# Altium PCB TMS320F28379D_Interfaz_.PcbDoc (part 3 of 5)
Units mil, origin at the board's own origin, x right, y up, seen from the top; angles counter-clockwise.
Board outline 7050 x 6150 mil, 4 copper layers (Top Layer, GND plane, Power supply plane, Bottom Layer), stack 30.634 mil thick; 614 components, 361 nets, 2002 pads, 627 vias.
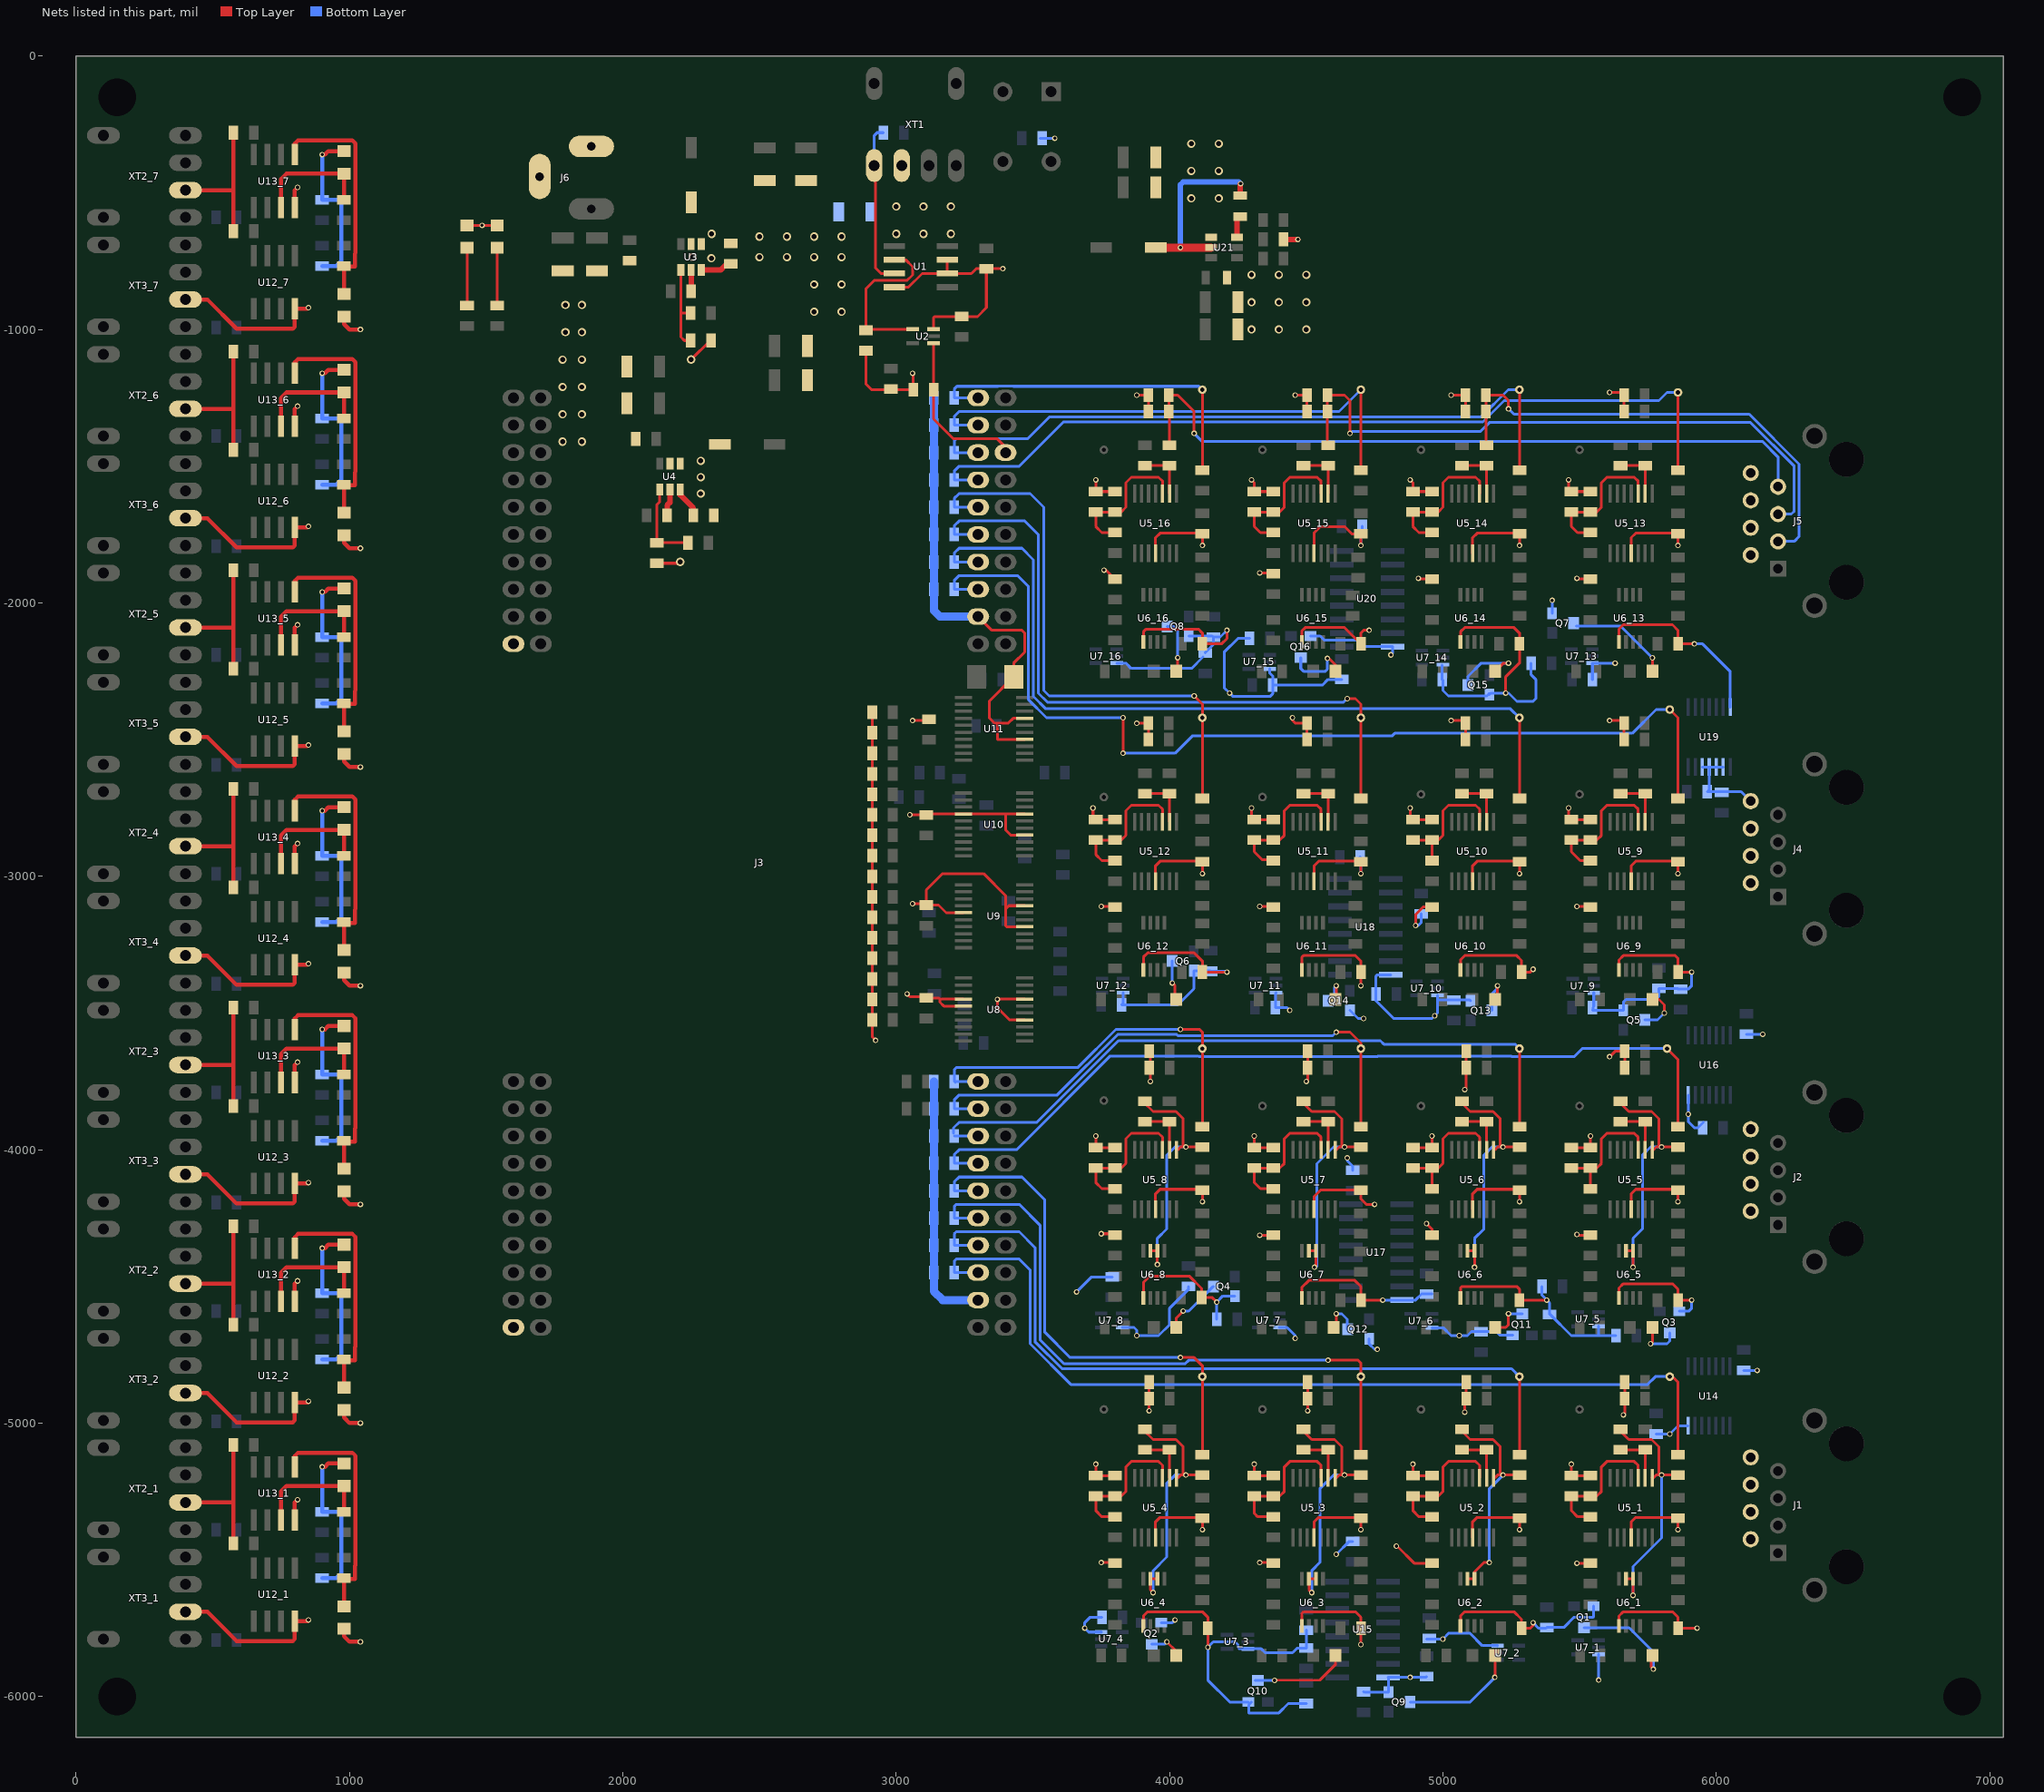
[diagram p5: the nets of this part, all layers, seen from the top]

## Via types
v1: diameter 20, hole 12, Top Layer to Bottom Layer, 538 vias
v2: diameter 30, hole 18, Top Layer to Bottom Layer, 80 vias
v3: diameter 30, hole 20, Top Layer to Bottom Layer, 6 vias
v4: diameter 32, hole 18, Top Layer to Bottom Layer, 3 vias

## Nets (pads, with @x,y where several pads share a name; then routed paths per layer and width w, separated by ;. In a path a pad name is that pad's centre, name@x,y a point inside that pad or via, vN(x,y) a via of type N, cw(c..) or ccw(c..) an arc to the next point about the centre after c; other vN are vias at no path point) (continued)
ADC_IN_14: J5.3 R13_14.1 Rm2_14.2 Rm_14.2 | length 1791.9
  Top Layer w10: Rm_14.2@5157.4,-1240 Rm2_14.2@5157.4,-1300 5157.4,-1420 R13_14.1@5160,-1422.6 ; Rm_14.2@5165.98,-1240 5220,-1240 5240,-1260 v1(5240,-1290)
  Bottom Layer w10: v1(5240,-1290) 5260,-1310 6120.91,-1310 6303.04,-1492.13 6303.04,-1756.96 6285.04,-1774.96 J5.3@6226.14,-1774.96
ADC_IN_15: J5.5 R13_15.1 Rm2_15.2 Rm_15.2 | length 2322.1
  Top Layer w10: Rm_15.2@4577.4,-1240 Rm2_15.2@4577.4,-1300 4577.4,-1420 R13_15.1@4580,-1422.6 ; Rm_15.2@4585.98,-1240 4640,-1240 4660,-1260 v1(4660,-1380)
  Bottom Layer w10: v1(4660,-1380) 4668,-1372 5138,-1372 5170,-1340 6125.46,-1340 6285.04,-1499.58 6285.04,-1664.96 6275.04,-1674.96 J5.5@6226.14,-1674.96
ADC_IN_16: J5.7 R13_16.1 Rm2_16.2 Rm_16.2 | length 2673.3
  Top Layer w10: Rm2_16.2@3997.4,-1300 3997.4,-1252.6 4010,-1240 4030,-1240 4090,-1300 v1(4090,-1380) ; R13_16.1@4000,-1422.6 Rm2_16.2@4000,-1280
  Bottom Layer w10: v1(4090,-1380) 4120,-1410 6170,-1410 6226.14,-1466.14 J5.7@6226.14,-1574.96
ADC_OUT_1: ADC_1.1 C17.1 J3.23 R16_1.2 | length 3418.5
  Top Layer w10: ADC_1.1@5830,-4840 5840,-4830 5860,-4850 R16_1.2@5860,-5115.2
  Bottom Layer w10: J3.23@3300,-4450 C17.1@3212.4,-4450 3212.4,-4407.6 3220,-4400 3450,-4400 3490,-4440 3490,-4710 3638.75,-4858.75 5748.73,-4858.75 5777.47,-4830 ADC_1.1@5830,-4830
ADC_OUT_2: ADC_2.1 C16.1 J3.24 R16_2.2 | length 2917.3
  Top Layer w10: R16_2.2@5280,-5115.2 ADC_2.1@5280,-4830 ADC_2.1@5280,-4820
  Bottom Layer w10: J3.24@3300,-4350 C16.1@3212.4,-4350 3212.4,-4307.6 3220,-4300 3450,-4300 3508,-4358 3508,-4702.54 3606.71,-4801.25 5251.25,-4801.25 ADC_2.1@5280,-4830
ADC_OUT_3: ADC_3.1 C15.1 J3.25 R16_3.2 | length 2452.5
  Top Layer w10: v1(4580,-4770) 4690,-4770 4700,-4780 ADC_3.1@4700,-4830 R16_3.2@4700,-5115.2
  Bottom Layer w10: J3.25@3300,-4250 C15.1@3212.4,-4250 3212.4,-4207.6 3220,-4200 3450,-4200 3526,-4276 3526,-4695.09 3613.91,-4783 4057,-4783 4070,-4770 v1(4580,-4770)
ADC_OUT_4: ADC_4.1 C14.1 J3.26 R16_4.2 | length 1929.2
  Top Layer w10: v1(4040,-4760) 4090,-4760 4120,-4790 ADC_4.1@4120,-4830 R16_4.2@4120,-5115.2
  Bottom Layer w10: J3.26@3300,-4150 C14.1@3212.4,-4150 3212.4,-4117.6 3230,-4100 3460,-4100 3544,-4184 3544,-4667.63 3636.37,-4760 v1(4040,-4760)
ADC_OUT_5: ADC_5.1 C13.1 J3.27 R16_5.2 | length 3192.8
  Top Layer w10: ADC_5.1@5820,-3630 5860,-3670 R16_5.2@5860,-3915.2
  Bottom Layer w10: J3.27@3300,-4050 C13.1@3212.4,-4050 3212.4,-4017.6 3230,-4000 3440,-4000 3783,-3657 4106.34,-3657 4108.09,-3658.75 4761.91,-3658.75 4763.66,-3657 5249.53,-3657 5251.27,-3658.75 5481.25,-3658.75 5510,-3630 ADC_5.1@5820,-3630
ADC_OUT_6: ADC_6.1 C12.1 J3.28 R16_6.2 | length 2610.9
  Top Layer w10: ADC_6.1@5270,-3630 5280,-3640 R16_6.2@5280,-3915.2
  Bottom Layer w10: C12.1@3210,-3940 3210,-3920 3230,-3900 3514.54,-3900 3813.29,-3601.25 4771.25,-3601.25 4784,-3614 5264,-3614 ADC_6.1@5280,-3630 ; C12.1@3212.4,-3950 J3.28@3300,-3950
ADC_OUT_7: ADC_7.1 C11.1 J3.29 R16_7.2 | length 2036.1
  Top Layer w10: v1(4610,-3570) 4660,-3570 4700,-3610 ADC_7.1@4700,-3630 R16_7.2@4700,-3915.2
  Bottom Layer w10: J3.29@3300,-3850 C11.1@3212.4,-3850 3212.4,-3817.6 3230,-3800 3589.09,-3800 3811.09,-3578 4025.47,-3578 4030.47,-3583 4597,-3583 v1(4610,-3570)
ADC_OUT_8: ADC_8.1 C10.1 J3.30 R16_8.2 | length 1445.8
  Top Layer w10: v1(4040,-3560) 4110,-3560 4120,-3570 ADC_8.1@4120,-3630 R16_8.2@4120,-3915.2
  Bottom Layer w10: C10.1@3212.4,-3750 3212.4,-3707.6 3220,-3700 3663.63,-3700 3803.63,-3560 v1(4040,-3560) ; C10.1@3216.2,-3753.8 3220,-3750 J3.30@3300,-3750
ADC_OUT_9: ADC_9.1 C9.1 J3.63 R16_9.2 | length 3736.7
  Top Layer w10: v1(3830,-2550) v1(3830,-2420) ; ADC_9.1@5830,-2390 5860,-2420 R16_9.2@5860,-2715.2
  Bottom Layer w10: J3.63@3300,-1950 C9.1@3212.4,-1950 3212.4,-1917.6 3230,-1900 3444,-1900 3484,-1940 3484,-2354 3550,-2420 v1(3830,-2420) ; v1(3830,-2550) 4020,-2550 4083,-2487 4813.91,-2487 4823.91,-2477 5693,-2477 5780,-2390 ADC_9.1@5830,-2390
ADC_OUT_10: ADC_10.1 C8.1 J3.64 R16_10.2 | length 3039.8
  Top Layer w10: R16_10.2@5280,-2715.2 ADC_10.1@5280,-2420
  Bottom Layer w10: J3.64@3300,-1850 C8.1@3212.4,-1850 3212.4,-1817.6 3230,-1800 3460,-1800 3502,-1842 3502,-2342 3547,-2387 5247,-2387 ADC_10.1@5280,-2420
ADC_OUT_11: ADC_11.1 C7.1 J3.65 R16_11.2 | length 2588.1
  Top Layer w10: v1(4650,-2350) 4680,-2350 4700,-2370 ADC_11.1@4700,-2420 R16_11.2@4700,-2715.2
  Bottom Layer w10: J3.65@3300,-1750 C7.1@3212.4,-1750 3212.4,-1717.6 3230,-1700 3470,-1700 3520,-1750 3520,-2330 3553,-2363 4637,-2363 v1(4650,-2350)
ADC_OUT_12: ADC_12.1 C6.1 J3.66 R16_12.2 | length 2091.5
  Top Layer w10: v1(4090,-2340) 4120,-2370 ADC_12.1@4120,-2420 R16_12.2@4120,-2715.2
  Bottom Layer w10: J3.66@3300,-1650 C6.1@3212.4,-1650 3212.4,-1617.6 3230,-1600 3490,-1600 3540,-1650 3540,-2320 3560,-2340 v1(4090,-2340)
ADC_OUT_13: ADC_13.1 C5.1 J3.67 R16_13.2 | length 3176.1
  Top Layer w10: ADC_13.1@5850,-1230 5860,-1240 R16_13.2@5860,-1515.2
  Bottom Layer w10: J3.67@3300,-1550 C5.1@3212.4,-1550 3212.4,-1517.6 3230,-1500 3450,-1500 3612,-1338 5146.54,-1338 5224.54,-1260 5790,-1260 5820,-1230 ADC_13.1@5860,-1230
ADC_OUT_14: ADC_14.1 C4.1 J3.68 R16_14.2 | length 2574.6
  Top Layer w10: ADC_14.1@5270,-1220 5280,-1230 R16_14.2@5280,-1515.2
  Bottom Layer w10: J3.68@3300,-1450 C4.1@3212.4,-1450 3212.4,-1407.6 3220,-1400 3480,-1400 3560,-1320 5139.09,-1320 5239.09,-1220 ADC_14.1@5280,-1220
ADC_OUT_15: ADC_15.1 C3.1 J3.69 R16_15.2 | length 1943.2
  Top Layer w10: R16_15.2@4700,-1515.2 ADC_15.1@4700,-1220
  Bottom Layer w10: J3.69@3300,-1350 C3.1@3212.4,-1350 3212.4,-1317.6 3230,-1300 4620,-1300 ADC_15.1@4700,-1220
ADC_OUT_16: ADC_16.1 C18.2 J3.70 R16_16.2 | length 1342.6
  Top Layer w10: R16_16.2@4120,-1515.2 ADC_16.1@4120,-1220 ADC_16.1@4120,-1210
  Bottom Layer w10: J3.70@3300,-1250 C18.2@3212.4,-1250 3212.4,-1217.6 3222.4,-1207.6 3371.59,-1207.6 3372.19,-1207 3427.81,-1207 3428.41,-1207.6 4107.6,-1207.6 ADC_16.1@4120,-1220
AGND: B1.1 C1.1 C3.2 C4.2 C5.2 C6.2 C7.2 C8.2 C9.2 C10.2 C11.2 C12.2 C13.2 C14.2 C15.2 C16.2 C17.2 C18.1 C30_1.1 C30_2.1 C30_3.1 C30_4.1 C30_5.1 C30_6.1 C30_7.1 C30_8.1 C30_9.1 C30_10.1 C30_11.1 C30_12.1 C30_13.1 C30_14.1 C30_15.1 C30_16.1 C31_1.1 C31_2.1 C31_3.1 C31_4.1 C31_5.1 C31_6.1 C31_7.1 C31_8.1 C31_9.1 C31_10.1 C31_11.1 C31_12.1 C31_13.1 C31_14.1 C31_15.1 C31_16.1 C32_1.2 C32_2.2 C32_3.2 C32_4.2 C32_5.2 C32_6.2 C32_7.2 C32_8.2 C32_9.2 C32_10.2 C32_11.2 C32_12.2 C32_13.2 C32_14.2 C32_15.2 C32_16.2 C33.2 C34.2 C35.2 C36.2 C37.2 C40.2 C41.2 C42.2 C43.2 C44.2 C45.2 C46.2 C47.1 C49.1 C50.1 C51.2 C52.2 C53.2 J1.2 J1.4 J1.6 J1.8 J2.2 J2.4 J2.6 J2.8 J3.22 J3.62 J4.2 J4.4 J4.6 J4.8 J5.2 J5.4 J5.6 J5.8 Q1.S Q2.S Q3.S Q4.S Q5.S Q6.S Q7.S Q8.S Q9.S Q10.S Q11.S Q12.S Q13.S Q14.S Q15.S Q16.S R2.1 R3.1 R5.1 R18_1.1 R18_2.1 R18_3.1 R18_4.1 R18_5.1 R18_6.1 R18_7.1 R18_8.1 R18_9.1 R18_10.1 R18_11.1 R18_12.1 R18_13.1 R18_14.1 R18_15.1 R18_16.1 R21_1.1 R21_2.1 R21_3.1 R21_4.1 R21_5.1 R21_6.1 R21_7.1 R21_8.1 R21_9.1 R21_10.1 R21_11.1 R21_12.1 R21_13.1 R21_14.1 R21_15.1 R21_16.1 R23_1.1 R23_2.1 R23_3.1 R23_4.1 R23_5.1 R23_6.1 R23_7.1 R23_8.1 R23_9.1 R23_10.1 R23_11.1 R23_12.1 R23_13.1 R23_14.1 R23_15.1 R23_16.1 R30.2 R31.2 R32.2 R33.2 R38.2 R39.2 R40.2 R41.2 R46.2 R47.2 R48.2 R49.2 R54.2 R55.2 R56.2 R57.2 R80.2 R81.2 R82.1 R83.1 R84.1 R85.1 R86.2 R87.1 R88.1 R89.1 R90.2 R91.1 R92.1 R93.1 R94.1 R95.1 R96.1 R97.1 R98.1 R99.1 R100.1 R103.1 Rm2_1.1 Rm2_2.1 Rm2_3.1 Rm2_4.1 Rm2_5.1 Rm2_6.1 Rm2_7.1 Rm2_8.1 Rm2_9.1 Rm2_10.1 Rm2_11.1 Rm2_12.1 Rm2_13.1 Rm2_14.1 Rm2_15.1 Rm2_16.1 Rm_1.1 Rm_2.1 Rm_3.1 Rm_4.1 Rm_5.1 Rm_6.1 Rm_7.1 Rm_8.1 Rm_9.1 Rm_10.1 Rm_11.1 Rm_12.1 Rm_13.1 Rm_14.1 Rm_15.1 Rm_16.1 U1.4 U1.6 U1.7 U2.3 U5_1.11 U5_2.11 U5_3.11 U5_4.11 U5_5.11 U5_6.11 U5_7.11 U5_8.11 U5_9.11 U5_10.11 U5_11.11 U5_12.11 U5_13.11 U5_14.11 U5_15.11 U5_16.11 U6_1.5 U6_2.5 U6_3.5 U6_4.5 U6_5.5 U6_6.5 U6_7.5 U6_8.5 U6_9.5 U6_10.5 U6_11.5 U6_12.5 U6_13.5 U6_14.5 U6_15.5 U6_16.5 U7_1.3 U7_2.3 U7_3.3 U7_4.3 U7_5.3 U7_6.3 U7_7.3 U7_8.3 U7_9.3 U7_10.3 U7_11.3 U7_12.3 U7_13.3 U7_14.3 U7_15.3 U7_16.3 U8.4 U8.7 U8.14 U8.15 U9.4 U9.7 U9.15 U10.4 U10.7 U10.14 U11.4 U11.7 U14.7 U15.8 U16.7 U17.8 U18.8 U19.7 U19.9 U19.10 U19.11 U19.12 U20.8 U21.1 XT1.2 | length 32523.3
  Top Layer w10: R3.1@2890,-1077.4 2890,-1200 2910,-1220 R5.1@3062.6,-1220 3062.6,-1162.6 v1(3060,-1160) ; R56.2@2912.6,-2400 R54.2@2912.6,-2475 R55.2@2912.6,-2550 R57.2@2912.6,-2625 R48.2@2912.6,-2700 R46.2@2912.6,-2775 R47.2@2912.6,-2850 R49.2@2912.6,-2925 R40.2@2912.6,-3000 R38.2@2912.6,-3075 R39.2@2912.6,-3150 R41.2@2912.6,-3225 R32.2@2912.6,-3300 R30.2@2912.6,-3375 R31.2@2912.6,-3450 R33.2@2912.6,-3525 2912.6,-3587.6 v1(2925,-3600) ; U1.4@2993,-845 3045,-845 3095,-795 U1.6@3187,-795 ; v1(3040,-3430) 3050,-3440 3095.2,-3440 3105.2,-3450 C34.2@3110,-3445.2 3156.38,-3445.2 3160,-3448.82 ; v1(3050,-2775) 3109.8,-2775 C36.2@3110,-2775.2 3113.15,-2772.05 U10.14@3245.59,-2772.05 3400,-2772.05 ; v1(3060,-3100) 3104.8,-3100 C35.2@3110,-3105.2 ; v1(3060,-2430) 3115.2,-2430 C37.2@3120,-2425.2 ; U2.3@3137,-998.82 3137,-955.6 3140,-952.6 R2.1@3240,-952.6 3297.4,-952.6 3330,-920 C1.1@3330,-777.4 ; U1.7@3187,-745 U1.6@3187,-795 ; U8.15@3245.59,-3474.41 3174.41,-3474.41 3160,-3460 3160,-3448.82 ; U8.14@3245.59,-3448.82 3160,-3448.82 ; U9.15@3245.59,-3133.23 3183.23,-3133.23 3155.2,-3105.2 C35.2@3110,-3105.2 ; J3.62@3300,-2050 3350,-2100 3460,-2100 3470,-2110 3470,-2180 3430,-2220 C33.2@3430,-2270 3340,-2360 3340,-2420 3360,-2440 3370,-2440 ; v1(3390,-777.4) C1.1@3330,-777.4 ; U8.4@3470,-3525.59 3415.19,-3525.59 3370,-3480.4 v1(3370,-3450) 3370,-3448.82 U8.7@3470,-3448.82 ; U9.4@3470,-3184.41 3404.41,-3184.41 3400,-3180 3400,-3120 ; U9.7@3470,-3107.64 3412.36,-3107.64 3400,-3120 ; U10.4@3470,-2848.82 3418.82,-2848.82 3400,-2830 3400,-2772.05 ; U10.7@3470,-2772.05 3400,-2772.05 ; U11.4@3470,-2498.82 3370,-2498.82 3370,-2440 ; U11.7@3470,-2422.05 3427.95,-2422.05 3410,-2440 3370,-2440 ; v1(3720,-2750) 3720,-2782.6 C30_12.1@3730,-2792.6 R18_12.1@3800,-2792.6 ; v1(3730,-5150) C30_4.1@3730,-5192.6 R18_4.1@3800,-5192.6 ; v1(3730,-3950) C30_8.1@3730,-3992.6 R18_8.1@3800,-3992.6 ; v1(3730,-1550) C30_16.1@3730,-1592.6 R18_16.1@3800,-1592.6 ; v1(3750,-5510) 3797.4,-5510 R23_4.1@3800,-5512.6 ; v1(3750,-4307.4) 3794.8,-4307.4 R23_8.1@3800,-4312.6 R23_8.1@3800,-4310 ; v1(3750,-3110) 3797.4,-3110 R23_12.1@3800,-3112.6 ; v1(3760,-1880) 3767.4,-1880 R23_16.1@3800,-1912.6 ; v1(3880,-2440) Rm_12.1@3922.6,-2440 Rm2_12.1@3922.6,-2500 ; v1(3880,-1240) Rm_16.1@3922.6,-1240 Rm2_16.1@3922.6,-1300 ; U6_4.5@3904.41,-5742 3904.41,-5705.59 3920,-5690 4120,-5690 4140,-5710 C32_4.2@4140,-5750 v1(4140,-5820) ; U6_8.5@3904.41,-4542 3904.41,-4485.59 3928,-4462 4072,-4462 4117.4,-4507.4 C32_8.2@4117.4,-4540 4155.2,-4540 v1(4172.6,-4557.4) ; U6_12.5@3904.41,-3342 3904.41,-3295.59 3920,-3280 4090,-3280 4120,-3310 C32_12.2@4120,-3350 v1(4210,-3350) ; U6_16.5@3904.41,-2142 3904.41,-2105.59 3914.41,-2095.59 4105.59,-2095.59 4120,-2110 C32_16.2@4120,-2150 4190,-2150 4210,-2130 v1(4210,-2100) ; Rm2_8.1@3920,-3640 3930,-3650 v1(3930,-3750) ; v1(3925.2,-4955.2) Rm2_4.1@3925.2,-4910 Rm_4.1@3925.2,-4850 ; U5_4.11@3948.82,-5418.5 3948.82,-5361.18 3965.2,-5344.8 C31_4.1@4120,-5344.8 ; U5_8.11@3948.82,-4218.5 3948.82,-4161.18 3965.2,-4144.8 C31_8.1@4120,-4144.8 ; U5_12.11@3948.82,-3018.5 3948.82,-2961.18 3965.2,-2944.8 C31_12.1@4120,-2944.8 ; U5_16.11@3948.82,-1818.5 3948.82,-1761.18 3965.2,-1744.8 C31_16.1@4120,-1744.8 ; v1(4120,-5390) C31_4.1@4120,-5347.4 ; v1(4120,-4190) C31_8.1@4120,-4147.4 ; v1(4120,-2990) C31_12.1@4120,-2947.4 ; v1(4120,-1790) C31_16.1@4120,-1747.4 ; v1(4300,-2750) 4300,-2782.6 C30_11.1@4310,-2792.6 R18_11.1@4380,-2792.6 ; v1(4300,-1550) 4310,-1560 C30_15.1@4310,-1592.6 R18_15.1@4380,-1592.6 ; v1(4310,-5150) C30_3.1@4310,-5192.6 R18_3.1@4380,-5192.6 ; v1(4310,-3950) C30_7.1@4310,-3992.6 R18_7.1@4380,-3992.6 ; v1(4330,-5510) 4377.4,-5510 R23_3.1@4380,-5512.6 ; v1(4330,-4312.6) R23_7.1@4380,-4312.6 ; v1(4330,-3110) 4377.4,-3110 R23_11.1@4380,-3112.6 ; v1(4330,-1890) 4377.4,-1890 R23_15.1@4380,-1892.6 R23_15.1@4375.2,-1897.4 ; v1(4450,-2420) 4450,-2430 4460,-2440 Rm_11.1@4502.6,-2440 Rm2_11.1@4502.6,-2500 ; v1(4460,-1240) Rm_15.1@4502.6,-1240 Rm2_15.1@4502.6,-1300 ; U6_3.5@4484.41,-5742 4484.41,-5695.59 4490,-5690 4680,-5690 4700,-5710 C32_3.2@4700,-5750 v1(4700,-5810) ; U6_7.5@4484.41,-4542 4484.41,-4503.12 4509.63,-4477.9 4581.09,-4477.9 4581.23,-4477.76 4600.29,-4477.76 4600.43,-4477.9 4677.9,-4477.9 4700,-4500 C32_7.2@4700,-4550 v1(4780,-4550) ; U6_11.5@4484.41,-3342 4484.41,-3295.59 4490,-3290 4680,-3290 4700,-3310 C32_11.2@4700,-3350 v1(4700,-3400) ; U6_15.5@4484.41,-2142 4484.41,-2102.06 4496.47,-2090 4640,-2090 C32_15.2@4700,-2150 4700,-2110 4710,-2100 v1(4730,-2100) ; v1(4500,-3750) 4505.2,-3744.8 Rm2_7.1@4505.2,-3700 Rm_7.1@4505.2,-3640 ; v1(4505.2,-4954.8) Rm2_3.1@4505.2,-4910 Rm_3.1@4505.2,-4850 ; U5_3.11@4528.82,-5418.5 4528.82,-5361.18 4545.2,-5344.8 C31_3.1@4700,-5344.8 ; U5_7.11@4528.82,-4218.5 4528.82,-4171.18 4552.6,-4147.4 C31_7.1@4700,-4147.4 4700,-4180 4720,-4200 v1(4750,-4200) ; U5_11.11@4528.82,-3018.5 4528.82,-2961.18 4545.2,-2944.8 C31_11.1@4700,-2944.8 ; U5_15.11@4528.82,-1818.5 4528.82,-1743.18 4550,-1722 4642,-1722 4667.4,-1747.4 C31_15.1@4700,-1747.4 v1(4700,-1790) ; v1(4700,-5390) C31_3.1@4700,-5347.4 ; v1(4700,-2990) 4700,-2952.6 4697.4,-2950 C31_11.1@4700,-2947.4 ; v1(4830,-5450) 4832.6,-5450 4895.2,-5512.6 R23_2.1@4960,-5512.6 ; v1(4880,-2750) 4880,-2782.6 C30_10.1@4890,-2792.6 R18_10.1@4960,-2792.6 ; v1(4880,-1550) 4890,-1560 C30_14.1@4890,-1592.6 R18_14.1@4960,-1592.6 ; v1(4890,-5150) C30_2.1@4890,-5192.6 R18_2.1@4960,-5192.6 ; C30_6.1@4890,-3992.6 R18_6.1@4960,-3992.6 v1(4960,-3950) ; v1(4900,-3180) 4900,-3140 4927.4,-3112.6 R23_10.1@4960,-3112.6 ; v1(4910,-1910) 4912.6,-1912.6 R23_14.1@4960,-1912.6 ; v1(4940,-4270) 4960,-4290 R23_6.1@4960,-4312.6 ; v1(5030,-2430) 5072.6,-2430 Rm_10.1@5082.6,-2440 Rm2_10.1@5082.6,-2500 ; v1(5030,-1240) Rm_14.1@5082.6,-1240 Rm2_14.1@5082.6,-1300 ; U6_2.5@5064.41,-5742 5064.41,-5705.59 5080,-5690 5260,-5690 5287.4,-5717.4 C32_2.2@5287.4,-5750 5320,-5750 5330,-5740 v1(5330,-5730) ; U6_6.5@5064.41,-4542 5064.41,-4505.59 5070,-4500 5270,-4500 5280,-4510 C32_6.2@5280,-4550 v1(5380,-4550) ; U6_10.5@5064.41,-3342 5064.41,-3305.59 5080,-3290 5270,-3290 5287.4,-3307.4 C32_10.2@5287.4,-3350 5320,-3350 v1(5330,-3340) ; U6_14.5@5064.41,-2142 5064.41,-2105.59 5080,-2090 5260,-2090 5280,-2110 C32_14.2@5280,-2150 5280,-2220 5230,-2270 v1(5230,-2330) ; v1(5080,-4960) 5080,-4915.2 Rm2_2.1@5085.2,-4910 Rm_2.1@5085.2,-4850 ; v1(5080,-3780) 5085.2,-3774.8 Rm2_6.1@5085.2,-3700 Rm_6.1@5085.2,-3640 ; U5_2.11@5108.82,-5418.5 5108.82,-5361.18 5125.2,-5344.8 C31_2.1@5280,-5344.8 ; U5_6.11@5108.82,-4218.5 5108.82,-4161.18 5125.2,-4144.8 C31_6.1@5280,-4144.8 ; U5_10.11@5108.82,-3018.5 5108.82,-2961.18 5125.2,-2944.8 C31_10.1@5280,-2944.8 ; U5_14.11@5108.82,-1818.5 5108.82,-1761.18 5125.2,-1744.8 C31_14.1@5280,-1744.8 ; v1(5280,-5390) C31_2.1@5280,-5347.4 ; v1(5280,-4190) C31_6.1@5280,-4147.4 ; v1(5280,-2990) C31_10.1@5280,-2947.4 ; v1(5280,-1790) C31_14.1@5280,-1747.4 ; v1(5460,-2750) 5460,-2782.6 C30_9.1@5470,-2792.6 R18_9.1@5540,-2792.6 ; v1(5460,-1550) 5460,-1582.6 C30_13.1@5470,-1592.6 R18_13.1@5540,-1592.6 ; v1(5470,-5150) C30_1.1@5470,-5192.6 R18_1.1@5540,-5192.6 ; C30_5.1@5470,-3992.6 R18_5.1@5540,-3992.6 v1(5540,-3950) ; v1(5490,-5512.6) R23_1.1@5540,-5512.6 ; v1(5490,-4310) 5492.6,-4312.6 R23_5.1@5540,-4312.6 ; v1(5490,-3110) 5537.4,-3110 R23_9.1@5540,-3112.6 ; v1(5490,-1910) 5492.6,-1912.6 R23_13.1@5540,-1912.6 ; v1(5610,-3660) 5630,-3640 Rm_5.1@5665.2,-3640 Rm2_5.1@5665.2,-3700 ; v1(5610,-2430) 5652.6,-2430 Rm_9.1@5662.6,-2440 5662.6,-2497.4 Rm2_9.1@5665.2,-2500 ; v1(5610,-1230) 5652.6,-1230 Rm_13.1@5662.6,-1240 Rm2_13.1@5662.6,-1300 ; U6_1.5@5644.41,-5742 5644.41,-5705.59 5660,-5690 5840,-5690 5860,-5710 C32_1.2@5860,-5750 v1(5930,-5750) ; U6_5.5@5644.41,-4542 5644.41,-4505.59 5660,-4490 5840,-4490 5860,-4510 C32_5.2@5860,-4550 v1(5910,-4550) ; U6_9.5@5644.41,-3342 5644.41,-3305.59 5660,-3290 5850,-3290 5860,-3300 C32_9.2@5860,-3350 v1(5910,-3350) ; U6_13.5@5644.41,-2142 5644.41,-2095.59 5660,-2080 5840,-2080 5860,-2100 C32_13.2@5860,-2150 v1(5920,-2150) ; v1(5660,-4970) 5665.2,-4964.8 Rm2_1.1@5665.2,-4910 Rm_1.1@5665.2,-4850 ; U5_1.11@5688.82,-5418.5 5688.82,-5361.18 5705.2,-5344.8 C31_1.1@5860,-5344.8 ; U5_5.11@5688.82,-4218.5 5688.82,-4161.18 5705.2,-4144.8 C31_5.1@5860,-4144.8 ; U5_9.11@5688.82,-3018.5 5688.82,-2961.18 5705.2,-2944.8 C31_9.1@5860,-2944.8 ; U5_13.11@5688.82,-1818.5 5688.82,-1761.18 5705.2,-1744.8 C31_13.1@5860,-1744.8 ; v1(5860,-5390) C31_1.1@5860,-5347.4 ; v1(5860,-4190) C31_5.1@5860,-4147.4 ; v1(5860,-2990) C31_9.1@5860,-2947.4 ; v1(5860,-1790) C31_13.1@5860,-1747.4 ; C35.2@3110,-3105.2 3110,-3050 3170,-2990 3320,-2990 3400,-3070 3400,-3120 ; U1.6@3187,-795 3275,-795 3292.6,-777.4 C1.1@3330,-777.4
  Top Layer w20: R103.1@4414.8,-670 R103.1@4417.4,-670 v1(4470,-670)
  Bottom Layer w10: R100.1@3527.4,-300 R100.1@3534.8,-300 v1(3580,-300) ; v1(3660,-4520) 3714.8,-4465.2 R21_8.1@3790,-4465.2 ; U7_4.3@3750,-5764.41 3704.41,-5764.41 v1(3690,-5750) 3690,-5730 3710,-5710 R85.1@3752.6,-5710 ; U7_16.3@3807,-2220 3840,-2220 3859.4,-2239.4 4080.6,-2239.4 R21_16.1@4122.4,-2197.6 ; U7_8.3@3827,-4650 3870,-4650 3880,-4660 v1(3880,-4680) 3960,-4680 4000,-4640 4000,-4580 4070,-4510 R91.1@4070,-4500 ; U7_12.3@3830,-3425.59 3830,-3464.8 R21_12.1@3824.8,-3470 4030,-3470 4089,-3411 Q6.S@4089,-3345 4147.6,-3345 R95.1@4150,-3347.4 4207.4,-3347.4 v1(4210,-3350) ; Q2.S@3970,-5730 4010,-5730 v1(4020,-5720) ; Q8.S@4070.26,-2121.15 4156.35,-2121.15 R99.1@4160,-2124.8 ; R21_16.1@4130,-2182.6 4160,-2152.6 R99.1@4160,-2124.8 ; R21_7.1@4172.6,-4620 v1(4172.6,-4557.4) 4195,-4535 Q4.S@4239,-4535 ; v1(4210,-2100) 4185.2,-2124.8 R99.1@4160,-2124.8 ; Q10.S@4288.85,-6020.26 4220.26,-6020.26 4140,-5940 v1(4140,-5820) 4160,-5800 4240,-5800 4250,-5810 4250,-5820 4255.59,-5825.59 U7_3.3@4287,-5825.59 4335.59,-5825.59 4350,-5840 4450,-5840 4467.4,-5822.6 R21_3.1@4500,-5822.6 R21_4.1@4500,-5757.4 ; R98.1@4292.6,-2130 4250,-2130 4200,-2180 4200,-2310 v1(4220,-2330) 4232.6,-2342.6 4367.4,-2342.6 4377.4,-2332.6 R21_15.1@4377.4,-2300 ; Q10.S@4300,-6020 4290,-6030 4290,-6060 4400,-6060 4434.2,-6025.8 R84.1@4500,-6025.8 ; U7_15.3@4367,-2241.18 4367,-2257 4377.4,-2267.4 R21_15.1@4377.4,-2300 ; U7_11.3@4390,-3425.59 4387.4,-3428.19 R21_11.1@4387.4,-3480 4430,-3480 v1(4440,-3490) ; U7_7.3@4402,-4650 4430,-4650 4460,-4680 v1(4460,-4690) ; Q16.S@4515,-2121 4551,-2121 4566,-2136 4686,-2136 4710,-2160 U20.8@4816,-2160 4816,-2184 v1(4810,-2190) ; v1(4610,-5480) 4657.4,-5432.6 C40.2@4670,-5432.6 ; R97.1@4630,-2280 4580,-2280 4560,-2300 R21_15.1@4377.4,-2300 ; v1(4650,-4030) 4650,-4040 4670,-4060 C42.2@4670,-4075.2 ; Q14.S@4660,-3490 4690,-3520 v1(4710,-3520) ; C44.2@4697.4,-2930 4700,-2932.6 v1(4700,-2990) ; v1(4700,-1790) 4700,-1739.61 4704.8,-1734.8 C46.2@4704.8,-1720 ; R83.1@4710,-5982.6 4712.4,-5985 Q9.S@4801,-5985 4801,-5931 U15.8@4800,-5930 v1(4880,-5930) 4937.4,-5930 R21_2.1@4940,-5927.4 ; Q12.S@4730.26,-4691.15 4730.26,-4710.26 4750,-4730 v1(4760,-4730) ; v1(4780,-4550) U17.8@4850,-4550 4900,-4550 4922.6,-4527.4 R21_6.1@4940,-4527.4 R21_6.1@4960,-4527.4 ; U18.8@4810,-3360 4760.39,-3360 4755.2,-3365.2 R21_10.1@4755.2,-3430 4755.2,-3455.2 4820,-3520 4960,-3520 v1(4970,-3510) 4980,-3500 4980,-3450 ; v1(4900,-3180) 4910,-3180 4920,-3170 R92.1@4920,-3137.4 ; R21_1.1@4940,-5790 v1(5000,-5790) 5022,-5768 5098,-5768 5144,-5814 5199.59,-5814 U7_2.3@5200,-5814.41 ; U7_6.3@4960,-4651.18 5001.18,-4651.18 5030,-4680 v1(5060,-4680) 5090,-4680 5104.8,-4665.2 R89.1@5140,-4665.2 5195.2,-4665.2 5209,-4679 Q11.S@5255,-4679 ; U7_10.3@4980,-3435.59 4980,-3450 ; U7_14.3@4997.4,-2227.8 R21_14.1@4997.4,-2280 5000,-2282.6 5000,-2320 5020,-2340 5161.41,-2340 Q15.S@5170.26,-2331.15 ; Q13.S@5101,-3455 5098.6,-3452.6 R93.1@5040,-3452.6 4982.6,-3452.6 4980,-3450 ; Q15.S@5170.26,-2335 5175.26,-2330 v1(5230,-2330) 5241.01,-2330 5271.01,-2360 5330,-2360 5340,-2350 5340,-2280 5322.6,-2262.6 R96.1@5322.6,-2220 ; v1(5330,-5730) 5350,-5750 5377.4,-5750 R82.1@5380,-5747.4 5442.6,-5747.4 5480,-5710 5550,-5710 5551.15,-5708.85 Q1.S@5551.15,-5669.74 ; R21_5.1@5362.6,-4500 5362.6,-4532.6 v1(5380,-4550) 5390,-4560 R88.1@5390,-4602.6 5392.6,-4602.6 5470,-4680 5570,-4680 ; Q7.S@5399.74,-2038.85 v1(5399.74,-1990.26) ; R21_13.1@5547.4,-2280 5547,-2279.6 U7_13.3@5547,-2220 v1(5630,-2220) ; U7_9.3@5552,-3426.18 5552,-3475.4 5550.27,-3480.9 5547.4,-3490 Q5.S@5660,-3490 5660,-3460 5670,-3450 5780,-3450 5790,-3440 R94.1@5790,-3410 5857.4,-3410 5860,-3412.6 R86.2@5870,-3412.6 5897.4,-3412.6 5910,-3400 v1(5910,-3350) ; v1(5570,-5940) U7_1.3@5570,-5845.59 ; U7_5.3@5570,-4645.59 5570,-4680 ; R87.1@5632.6,-4680 5570,-4680 ; R80.2@5780,-5040 v1(5830,-5040) 5860,-5010 U14.7@5896.46,-5010 ; Q3.S@5865,-4591 5899,-4591 5910,-4580 v1(5910,-4550) ; U16.7@5897.64,-3800 v1(5897.64,-3870) 5897.64,-3897.64 5920,-3920 5932.6,-3920 R81.2@5952.6,-3900 ; v1(5920,-2150) 5950,-2150 6051.18,-2251.18 U19.7@6051.18,-2381.5 ; U19.12@5948.82,-2600 U19.11@5974.41,-2600 ; U19.9@6025.59,-2600 U19.10@6000,-2600 U19.11@5974.41,-2600 ; C41.2@6100,-4807.4 v1(6150,-4807.4) ; C43.2@6110,-3577.4 v1(6170,-3577.4) ; J4.8@6126.14,-2724.97 6091.17,-2690 C45.2@5967.4,-2690 5974.41,-2682.99 U19.11@5974.41,-2600